# Altium PCB MatrixRE.PcbDoc (part 2 of 3)
Units mm, origin at the board's own origin, x right, y up, seen from the top; angles counter-clockwise.
Board outline 200.1 x 201 mm, 2 copper layers (Top Layer, Bottom Layer), stack 1.55 mm thick; 296 components, 220 nets, 867 pads, 414 vias.
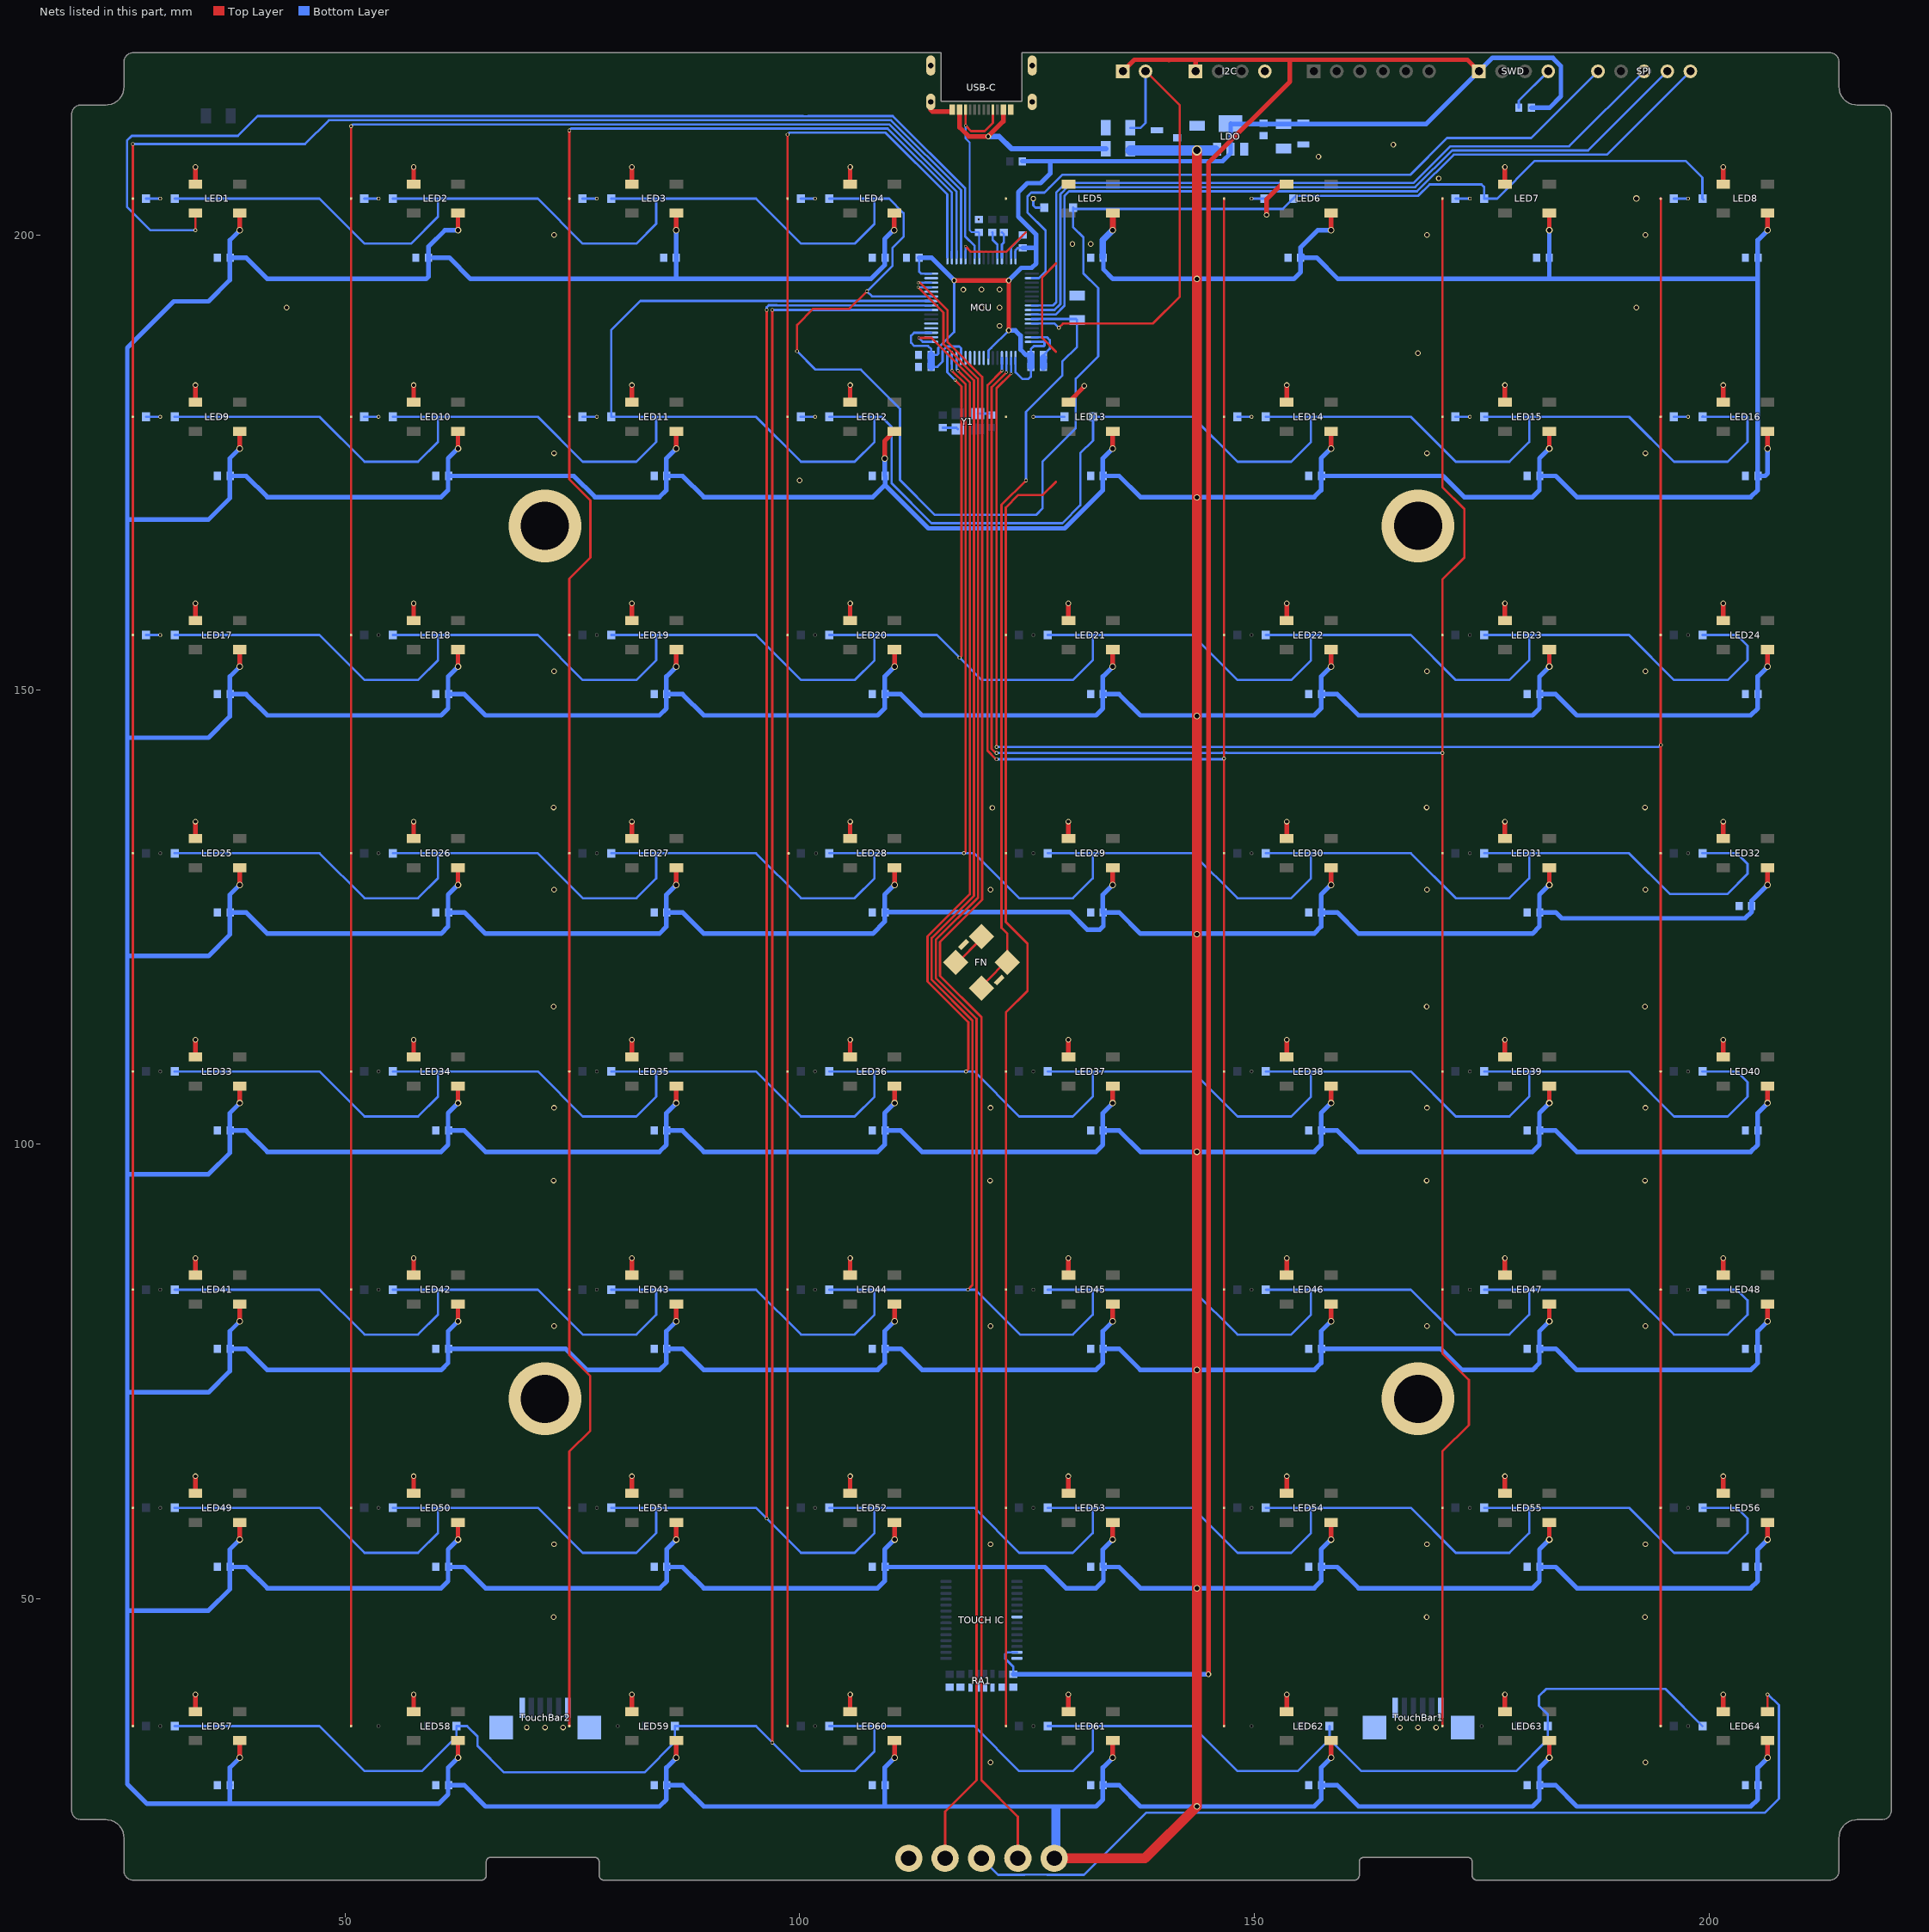
[diagram p2: the nets of this part, all layers, seen from the top]

## Part data
C1 C1 C2 C3 C4 C5 C6 C7 C8 C9 C10 C11 C12 C13 C14 C15 C16 C17 C18 C19 C20 C21 C22 C23 C24 C25 C26 C27 C28 C29 C30 C31 C32 C33 C34 C35 C36 C37 C38 C39 C40 C41 C42 C43 C44 C45 C46 C47 C48 C49 C50 C51 C52 C53 C54 C55 C56 C57 C58 C59 C60 C61 C62 C63 C64: "Capacitor (Semiconductor SIM Model)", LatestRevisionDate=29-May-2009, LatestRevisionNote="IPC-7351 Footprint Added.", PackageDescription="Chip Capacitor", PackageReference=C1206, Published=8-Jun-2000, Publisher="Altium Limited"
C1 C2 C3 C4 C5 C6 C8 C9 C10 C11 C13 C65 C66: library part Cap, LatestRevisionDate=17-Jul-2002, LatestRevisionNote="Re-released for DXP Platform.", PackageDescription="Radial Cap, Thru-Hole; 2 Leads; 0.3 in Pin Spacing", PackageReference=RAD-0.3, Published=8-Jun-2000, Publisher="Altium Limited"
C2: library part "Cap Semi", "Capacitor (Semiconductor SIM Model)", LatestRevisionDate=29-May-2009, LatestRevisionNote="IPC-7351 Footprint Added.", PackageDescription="Chip Capacitor", PackageReference=C1206, Published=8-Jun-2000, Publisher="Altium Limited"
C3 C4: library part "Cap Semi", LatestRevisionDate=29-May-2009, LatestRevisionNote="IPC-7351 Footprint Added.", PackageDescription="Chip Capacitor", PackageReference=C1206, Published=8-Jun-2000, Publisher="Altium Limited"
D1 D2: library part TVS
FN: library part SW, "System"
I2C SWD UART4/5: library part "Header 4", "System", LatestRevisionDate=17-Jul-2002, LatestRevisionNote="Re-released for DXP Platform.", Publisher="Altium Limited"
LED1 LED2 LED3 LED4 LED5 LED6 LED7 LED8 LED9 LED10 LED11 LED12 LED13 LED14 LED15 LED16 LED17 LED18 LED19 LED20 LED21 LED22 LED23 LED24 LED25 LED26 LED27 LED28 LED29 LED30 LED31 LED32 LED33 LED34 LED35 LED36 LED37 LED38 LED39 LED40 LED41 LED42 LED43 LED44 LED45 LED46 LED47 LED48 LED49 LED50 LED51 LED52 LED53 LED54 LED55 LED56 LED57 LED58 LED59 LED60 LED61 LED62 LED63 LED64: "3535"
PPTC: "Fuse", LatestRevisionDate=17-Jul-2002, LatestRevisionNote="Re-released for DXP Platform.", PackageDescription="Thru-Hole; 2 Leads", PackageReference=PIN-W2/E2.8, Published=8-Jun-2000, Publisher="Altium Limited"
R3 R4 R7 R10: library part Res2, LatestRevisionDate=17-Jul-2002, LatestRevisionNote="Re-released for DXP Platform.", PackageDescription="Axial Device, Thru-Hole; 2 Leads; 0.4 in Pin Spacing", PackageReference=AXIAL-0.4, Published=8-Jun-2000, Publisher="Altium Limited"
R9 R12 USB-C: "System"
  R9 R12: LatestRevisionDate=17-Jul-2002, LatestRevisionNote="Re-released for DXP Platform.", PackageDescription="Axial Device, Thru-Hole; 2 Leads; 0.4 in Pin Spacing", PackageReference=AXIAL-0.4, Published=8-Jun-2000, Publisher="Altium Limited"
RA1: library part "4R8P Resistor"
RLED: library part Res3, "Resistor", LatestRevisionDate=17-Jul-2002, LatestRevisionNote="Re-released for DXP Platform.", PackageDescription="Axial Device, Thru-Hole; 2 Leads; 0.4 in Pin Spacing", PackageReference=AXIAL-0.4, Published=8-Jun-2000, Publisher="Altium Limited"
SW1 SW2 SW3 SW4 SW5 SW6 SW7 SW8 SW9 SW10 SW11 SW12 SW13 SW14 SW15 SW16 SW17 SW18 SW19 SW20 SW21 SW22 SW23 SW24 SW25 SW26 SW27 SW28 SW29 SW30 SW31 SW32 SW33 SW34 SW35 SW36 SW37 SW38 SW39 SW40 SW41 SW42 SW43 SW44 SW45 SW46 SW47 SW48 SW49 SW50 SW51 SW52 SW53 SW54 SW55 SW56 SW57 SW58 SW59 SW60 SW61 SW62 SW63 SW64: library part SW
"TOUCH IC": library part TTP229
TouchBar1 TouchBar2: library part "6 pin fpc"
Y1: library part 3225Crystal

## Free pads (board coordinates)
  round 0 smd far side paste+0 mask+0: 1(109.27,118.73)
  round 3 hole 1.7: 1(128,21.46) 2(124,21.46) 3(120,21.46) 4(116,21.46) 5(112,21.46)
  rect 1.5x1.5 hole 0.9: 1(135.54,218)
  round 1.5 hole 0.9: 2(138.04,218)

## Via types
v1: diameter 0.406, hole 0.254, Top Layer to Bottom Layer, tented both sides, 178 vias
v2: diameter 0.61, hole 0.406, Top Layer to Bottom Layer, tented both sides, 134 vias
v3: diameter 0.711, hole 0.508, Top Layer to Bottom Layer, tented both sides, 65 vias
v4: diameter 0.305, hole 0.203, Top Layer to Bottom Layer, tented both sides, 24 vias
v5: diameter 0.7, hole 0.5, Top Layer to Bottom Layer, tented both sides, 8 vias
v6: diameter 8, hole 5.3, Top Layer to Bottom Layer, 4 vias
v7: diameter 1.1, hole 0.8, Top Layer to Bottom Layer, tented both sides, 1 vias

## Nets (pads, with @x,y where several pads share a name; then routed paths per layer and width w, separated by ;. In a path a pad name is that pad's centre, name@x,y a point inside that pad or via, vN(x,y) a via of type N, cw(c..) or ccw(c..) an arc to the next point about the centre after c; other vN are vias at no path point)
+3.3: "TOUCH IC.27" C1.2@123.5,41.7 C1.2@124.553,198.585 C2.2@113.15,197.5 C3.2@125.43,186.8 C4.2@114.475,185.5 C10.2@151,212.31 C11.2@153.2,212.192 C13.2@114.475,186.8 C65.1 C66.2 D2.2@155.4,212.37 I2C.1 LDO.2 MCU.1 MCU.7 MCU.13 MCU.19 MCU.32 MCU.48 MCU.64 pad.1@135.54,218 R7.2 SWD.1 | length 403.5
  Top Layer w0.508: v2(117,195) v2(123,195) v2(123,189.5) ; pad.1@135.54,218 136.81,219.27 140.65,219.27 ; 140.62,219.24 140.65,219.27 ; I2C.1@143.54,218 143.54,219.27 ; v2(144.95,41.7) 144.95,207.91 153.92,216.88 153.92,219.27 ; SWD.1@174.7,218 173.43,219.27 153.92,219.27 ; 140.65,219.27 143.54,219.27 ; 143.54,219.27 153.92,219.27
  Bottom Layer w0.254: C2.2@113.15,197.5 113.15,195.94 113.34,195.75 MCU.32@114.475,195.75 ; C4.2@114.475,185.5 115.16,185.5 115.73,186.07 115.73,187.244 116.216,187.73 117.56,187.73 117.75,187.54 MCU.13@117.75,186.475 ; MCU.19@114.475,189.25 112.59,189.25 112.26,188.92 112.26,188.15 112.614,187.796 114.134,187.796 114.475,187.455 C13.2@114.475,186.8 115.1,186.8 115.25,186.95 115.25,187.575 117,189.325 v2(117,195) ; MCU.48@123.75,197.525 123.75,198.33 124.005,198.585 C1.2@124.553,198.585
  Bottom Layer w0.256: MCU.7@120.75,186.475 120.75,187.25 120.797,187.297 120.797,187.313 121.062,187.578 121.078,187.578 v2(123,189.5) ; C1.2@123.5,41.7 123.5,42.51 122.61,43.4 122.61,43.89 122.82,44.1 123.9,44.1 ; MCU.1@123.75,186.475 123.75,184.899 124.499,184.15 125.15,184.15 125.43,184.43 C66.2@125.43,185.5 ; C3.2@125.43,186.8 125.43,187.44 125.77,187.78 126.87,187.78 126.92,187.83 126.92,188.25 MCU.64@125.525,188.25 ; v2@144.67,41.7 v2@144.7,41.67
  Bottom Layer w0.508: C2.2@113.15,197.5 114.54,197.5 114.54,197.46 v2(117,195) ; v2(123,189.5) 123.73,189.5 124.296,188.934 124.296,188.51 124.31,188.496 124.31,187.38 124.89,186.8 C3.2@125.43,186.8 ; v2(123,195) 123.47,195.47 124.39,196.39 125.53,196.39 126.014,196.874 126.014,200.046 124.038,202.022 124.038,204.688 125.049,205.7 126.497,205.7 127.57,206.772 127.57,208.06 ; R7.2@124.5,208.107 127.617,208.107 146.52,208.107 147.4,208.987 LDO.2@147.4,209.45 ; C1.2@124.553,198.585 125.775,198.585 ; LDO.2@147.4,209.5 LDO.2@147.4,212.206 ; LDO.2@147.4,212.25 LDO.2@147.4,212.206 ; 177.62,219.474 182.826,219.474 183.72,218.58 183.72,215.25 182.47,214 C65.1@180.48,214 ; 177.639,219.494 176.193,219.494 SWD.1@174.7,218 168.906,212.206 LDO.2@147.4,212.206
  Bottom Layer w0.512: C1.2@123.5,41.7 v2@144.67,41.7
  Bottom Layer w0.8: C4.2@114.475,185.5 C13.2@114.475,186.8 ; C66.2@125.43,185.5 C3.2@125.43,186.8
+5: C1.2@37.4,197.5 C2.2@59.2,197.5 C3.2@86.438,197.5 C4.2@109.4,197.5 C5.2@133.4,197.5 C6.2@155.1,197.5 C7.2 C8.2 C9.2 C10.2@181.4,173.5 C11.2@157.4,173.5 C12.2 C13.2@109.4,173.5 C14.2 C15.2 C16.2 C17.2 C18.2 C19.2 C20.2 C21.2 C22.2 C23.2 C24.2 C25.2 C26.2 C27.2 C28.2 C29.2 C30.2 C31.2 C32.2 C33.2 C34.2 C35.2 C36.2 C37.2 C38.2 C39.2 C40.2 C41.2 C42.2 C43.2 C44.2 C45.2 C46.2 C47.2 C48.2 C49.2 C50.2 C51.2 C52.2 C53.2 C54.2 C55.2 C56.2 C57.2 C58.2 C59.2 C60.2 C61.2 C62.2 C63.2 C64.2 D1.2@139.3,209.12 LDO.3 LED1.1 LED2.1 LED3.1 LED4.1 LED5.1 LED6.1 LED7.1 LED8.1 LED9.1 LED10.1 LED11.1 LED12.1 LED13.1 LED14.1 LED15.1 LED16.1 LED17.1 LED18.1 LED19.1 LED20.1 LED21.1 LED22.1 LED23.1 LED24.1 LED25.1 LED26.1 LED27.1 LED28.1 LED29.1 LED30.1 LED31.1 LED32.1 LED33.1 LED34.1 LED35.1 LED36.1 LED37.1 LED38.1 LED39.1 LED40.1 LED41.1 LED42.1 LED43.1 LED44.1 LED45.1 LED46.1 LED47.1 LED48.1 LED49.1 LED50.1 LED51.1 LED52.1 LED53.1 LED54.1 LED55.1 LED56.1 LED57.1 LED58.1 LED59.1 LED60.1 LED61.1 LED62.1 LED63.1 LED64.1 pad.1@128,21.46 PPTC.2 | length 2332.3
  Top Layer w0.508: v3(38.438,32.52) LED57.1@38.438,34.4 ; v3(38.438,56.52) LED49.1@38.438,58.4 ; v3(38.438,80.52) LED41.1@38.438,82.4 ; v3(38.438,104.52) LED33.1@38.438,106.4 ; v3(38.438,128.52) LED25.1@38.438,130.4 ; v3(38.438,152.52) LED17.1@38.438,154.4 ; v3(38.438,176.52) LED9.1@38.438,178.4 ; v3(38.438,200.52) LED1.1@38.438,202.4 ; v3(62.438,32.52) LED58.1@62.438,34.4 ; v3(62.438,56.52) LED50.1@62.438,58.4 ; v3(62.438,80.52) LED42.1@62.438,82.4 ; v3(62.438,104.52) LED34.1@62.438,106.4 ; v3(62.438,128.52) LED26.1@62.438,130.4 ; v3(62.438,152.52) LED18.1@62.438,154.4 ; v3(62.438,176.52) LED10.1@62.438,178.4 ; v3(62.438,200.52) LED2.1@62.438,202.4 ; v3(86.438,32.52) LED59.1@86.438,34.4 ; v3(86.438,56.52) LED51.1@86.438,58.4 ; v3(86.438,80.52) LED43.1@86.438,82.4 ; v3(86.438,104.52) LED35.1@86.438,106.4 ; v3(86.438,128.52) LED27.1@86.438,130.4 ; v3(86.438,152.52) LED19.1@86.438,154.4 ; v3(86.438,176.52) LED11.1@86.438,178.4 ; v3(86.438,200.52) LED3.1@86.438,202.4 ; v3(109.35,175.431) 109.35,177.311 LED12.1@110.438,178.4 ; v3(110.4,200.52) 110.4,202.361 LED4.1@110.438,202.4 ; v3(110.438,32.52) LED60.1@110.438,34.4 ; v3(110.438,56.52) LED52.1@110.438,58.4 ; v3(110.438,80.52) LED44.1@110.438,82.4 ; v3(110.438,104.52) LED36.1@110.438,106.4 ; v3(110.438,128.52) LED28.1@110.438,130.4 ; v3(110.438,152.52) LED20.1@110.438,154.4 ; v3(134.438,32.52) LED61.1@134.438,34.4 ; v3(134.438,56.52) LED53.1@134.438,58.4 ; v3(134.438,80.52) LED45.1@134.438,82.4 ; v3(134.438,104.52) LED37.1@134.438,106.4 ; v3(134.438,128.52) LED29.1@134.438,130.4 ; v3(134.438,152.52) LED21.1@134.438,154.4 ; v3(134.438,176.52) LED13.1@134.438,178.4 ; v3(158.438,32.52) LED62.1@158.438,34.4 ; v3(158.438,56.52) LED54.1@158.438,58.4 ; v3(158.438,80.52) LED46.1@158.438,82.4 ; v3(158.438,104.52) LED38.1@158.438,106.4 ; v3(158.438,128.52) LED30.1@158.438,130.4 ; v3(158.438,152.52) LED22.1@158.438,154.4 ; v3(158.438,176.52) LED14.1@158.438,178.4 ; v3(158.438,200.52) LED6.1@158.438,202.4 ; v3(182.438,32.52) LED63.1@182.438,34.4 ; v3(182.438,56.52) LED55.1@182.438,58.4 ; v3(182.438,80.52) LED47.1@182.438,82.4 ; v3(182.438,104.52) LED39.1@182.438,106.4 ; v3(182.438,128.52) LED31.1@182.438,130.4 ; v3(182.438,152.52) LED23.1@182.438,154.4 ; v3(182.438,176.52) LED15.1@182.438,178.4 ; v3(182.438,200.52) LED7.1@182.438,202.4 ; v3(206.438,32.52) LED64.1@206.438,34.4 ; v3(206.438,56.52) LED56.1@206.438,58.4 ; v3(206.438,80.52) LED48.1@206.438,82.4 ; v3(206.438,104.52) LED40.1@206.438,106.4 ; v3(206.438,128.52) LED32.1@206.438,130.4 ; v3(206.438,152.52) LED24.1@206.438,154.4 ; v3(206.438,176.52) LED16.1@206.438,178.4 ; v3(206.438,200.52) LED8.1@206.438,202.4
  Top Layer w0.635: v3(134.438,200.52) LED5.1@134.438,202.4
  Top Layer w1.1: pad.1@128,21.46 137.977,21.46 v5(143.68,27.163) 143.7,27.183 143.7,51.163 143.7,75.163 143.7,99.163 143.7,123.1 143.7,171.14 143.7,200.52 v7(143.7,209.3)
  Bottom Layer w0.508: 26.1,48.7 35,48.7 37.35,51.05 C56.2@37.35,53.5 ; 26.1,72.7 35,72.7 37.35,75.05 C48.2@37.35,77.5 ; 26.1,96.7 35,96.7 37.35,99.05 C40.2@37.35,101.5 ; 26.1,120.7 35,120.7 37.35,123.05 C32.2@37.35,125.5 ; 26.1,144.7 35,144.7 37.35,147.05 C24.2@37.35,149.5 ; 26.1,168.7 35,168.7 37.35,171.05 C16.2@37.35,173.5 ; C64.2@37.35,29.5 37.35,31.431 v3(38.438,32.52) ; C64.2@37.4,29.5 37.35,29.45 37.35,27.45 ; v3(38.438,56.52) 37.35,55.431 C56.2@37.35,53.5 ; v3(38.438,80.52) 37.35,79.431 C48.2@37.35,77.5 ; v3(38.438,104.52) 37.35,103.431 C40.2@37.35,101.5 ; v3(38.438,128.52) 37.35,127.431 C32.2@37.35,125.5 ; v3(38.438,152.52) 37.35,151.431 C24.2@37.35,149.5 ; v3(38.438,176.52) 37.35,175.431 C16.2@37.35,173.5 ; v3(38.438,200.52) 37.35,199.431 C1.2@37.35,197.5 ; 59.7,197.5 61.481,197.5 63.818,195.163 86.438,195.163 v3(86.438,200.52) ; v3(62.438,32.52) 61.35,31.431 C63.2@61.35,29.5 ; v3(62.438,56.52) 61.35,55.431 C55.2@61.35,53.5 ; v3(62.438,80.52) 61.35,79.431 C47.2@61.35,77.5 ; v3(62.438,104.52) 61.35,103.431 C39.2@61.35,101.5 ; v3(62.438,128.52) 61.35,127.431 C31.2@61.35,125.5 ; v3(62.438,152.52) 61.35,151.431 C23.2@61.35,149.5 ; v3(62.438,176.52) 61.35,175.431 C15.2@61.35,173.5 ; v3(62.438,200.52) 60.99,200.52 59.2,198.73 C2.2@59.2,197.5 59.2,195.429 58.934,195.163 41.468,195.163 39.131,197.5 C1.2@37.35,197.5 ; 84.584,51.163 65.468,51.163 63.131,53.5 C55.2@61.35,53.5 ; 84.634,51.163 85.4,51.929 C54.2@85.4,53.5 ; v3(86.438,32.52) 85.35,31.431 C62.2@85.35,29.5 ; v3(86.438,56.52) 85.4,55.481 C54.2@85.4,53.5 ; v3(86.438,80.52) 85.35,79.431 C46.2@85.35,77.5 ; v3(86.438,104.52) 85.35,103.431 C38.2@85.35,101.5 ; v3(86.438,128.52) 85.35,127.431 C30.2@85.35,125.5 ; v3(86.438,152.52) 85.35,151.431 C22.2@85.35,149.5 ; v3(86.438,176.52) 85.35,175.431 C14.2@85.35,173.5 ; 86.5,195.163 107.833,195.163 109.35,196.68 109.35,199.55 v3@110.25,200.45 ; 109.35,27.25 109.35,31.431 v3(110.438,32.52) ; C13.2@109.35,173.5 v3(109.35,175.431) ; C13.2@109.4,173.5 109.4,172.503 ; v3(110.438,56.52) 109.35,55.431 C53.2@109.35,53.5 ; v3(110.438,80.52) 109.35,79.431 C45.2@109.35,77.5 ; v3(110.438,104.52) 109.35,103.431 C37.2@109.35,101.5 ; v3(110.438,128.52) 109.35,127.431 C29.2@109.35,125.5 ; v3(110.438,152.52) 109.35,151.431 C21.2@109.35,149.5 ; C52.2@133.35,53.5 133.35,55.431 v3(134.438,56.52) ; C28.2@133.35,125.5 133.35,127.431 v3(134.438,128.52) ; C5.2@133.35,197.55 C5.2@133.4,197.5 133.4,196.22 134.457,195.163 154.333,195.163 155.1,195.93 C6.2@155.1,197.5 C6.2@155.1,197.9 ; v3(134.438,32.52) 133.35,31.431 C60.2@133.35,29.5 ; v3(134.438,80.52) 133.35,79.431 C44.2@133.35,77.5 ; v3(134.438,104.52) 133.35,103.431 C36.2@133.35,101.5 ; v3(134.438,152.52) 133.35,151.431 C20.2@133.35,149.5 ; v3(134.438,176.52) 133.35,175.431 C12.2@133.35,173.5 ; v3(158.438,32.52) 157.35,31.431 C59.2@157.35,29.5 ; v3(158.438,56.52) 157.35,55.431 C51.2@157.35,53.5 ; v3(158.438,80.52) 157.35,79.431 C43.2@157.35,77.5 ; v3(158.438,104.52) 157.35,103.431 C35.2@157.35,101.5 ; v3(158.438,128.52) 157.35,127.431 C27.2@157.35,125.5 ; v3(158.438,152.52) 157.35,151.431 C19.2@157.35,149.5 ; v3(158.438,176.52) 157.35,175.431 C11.2@157.35,173.5 ; v3(158.438,200.52) 156.97,200.52 155.1,198.65 C6.2@155.1,197.9 ; v3(182.438,32.52) 181.35,31.431 C58.2@181.35,29.5 ; v3(182.438,56.52) 181.35,55.431 C50.2@181.35,53.5 ; v3(182.438,80.52) 181.35,79.431 C42.2@181.35,77.5 ; v3(182.438,104.52) 181.35,103.431 C34.2@181.35,101.5 ; v3(182.438,128.52) 181.35,127.431 C26.2@181.35,125.5 ; v3(182.438,152.52) 181.35,151.431 C18.2@181.35,149.5 ; v3(182.438,176.52) 181.35,175.431 C10.2@181.35,173.5 ; v3(182.438,200.52) 182.438,195.189 182.464,195.163 ; v3(206.438,32.52) 205.35,31.431 205.35,27.929 204.584,27.163 185.468,27.163 183.131,29.5 C58.2@181.35,29.5 ; v3(206.438,56.52) 205.35,55.431 205.35,51.929 204.584,51.163 185.468,51.163 183.131,53.5 C50.2@181.35,53.5 ; v3(206.438,80.52) 205.35,79.431 205.35,75.929 204.584,75.163 185.468,75.163 183.131,77.5 C42.2@181.35,77.5 ; v3(206.438,104.52) 205.35,103.431 205.35,99.929 204.584,99.163 185.468,99.163 183.131,101.5 C34.2@181.35,101.5 ; v3(206.438,128.52) 204.7,126.781 C25.2@204.7,126.2 204.7,125.569 203.971,124.84 183.791,124.84 183.131,125.5 C26.2@181.35,125.5 ; v3(206.438,152.52) 205.35,151.431 205.35,147.929 204.584,147.163 185.468,147.163 183.131,149.5 C18.2@181.35,149.5 ; v3(206.438,176.52) 206.438,173.778 206.16,173.5 C9.2@205.4,173.5 C9.2@205.35,173.5 ; v3(206.438,200.52) 205.35,199.431 205.35,195.163 ; 37.35,27.45 28.25,27.45 26.076,29.624 26.076,187.576 31.2,192.7 35,192.7 37.35,195.05 C1.2@37.35,197.5 ; 37.35,27.45 60.3,27.45 61.35,28.5 C63.2@61.35,29.5 ; C56.2@37.35,53.5 39.131,53.5 41.468,51.163 60.584,51.163 61.35,51.929 C55.2@61.35,53.5 ; C48.2@37.35,77.5 39.131,77.5 41.468,75.163 60.584,75.163 61.35,75.929 C47.2@61.35,77.5 ; C40.2@37.35,101.5 39.131,101.5 41.468,99.163 60.584,99.163 61.35,99.929 C39.2@61.35,101.5 ; C32.2@37.35,125.5 39.131,125.5 41.468,123.163 60.584,123.163 61.35,123.929 C31.2@61.35,125.5 ; C24.2@37.35,149.5 39.131,149.5 41.468,147.163 60.584,147.163 61.35,147.929 C23.2@61.35,149.5 ; C16.2@37.35,173.5 39.131,173.5 41.468,171.163 60.584,171.163 61.35,171.929 C15.2@61.35,173.5 ; C63.2@61.35,29.5 63.131,29.5 65.468,27.163 84.584,27.163 85.35,27.929 C62.2@85.35,29.5 ; C47.2@61.35,77.5 74.263,77.5 76.582,75.181 84.602,75.181 85.35,75.929 C46.2@85.35,77.5 ; C39.2@61.35,101.5 63.131,101.5 65.468,99.163 84.584,99.163 85.35,99.929 C38.2@85.35,101.5 ; C31.2@61.35,125.5 63.131,125.5 65.468,123.163 84.584,123.163 85.35,123.929 C30.2@85.35,125.5 ; C23.2@61.35,149.5 63.131,149.5 65.468,147.163 84.584,147.163 85.35,147.929 C22.2@85.35,149.5 ; C15.2@61.35,173.5 75.163,173.5 77.5,171.163 84.584,171.163 85.35,171.929 C14.2@85.35,173.5 ; C62.2@85.35,29.5 87.131,29.5 89.468,27.163 132.584,27.163 133.35,27.929 C60.2@133.35,29.5 ; C46.2@85.35,77.5 87.131,77.5 89.45,75.181 108.602,75.181 109.35,75.929 C45.2@109.35,77.5 ; C38.2@85.35,101.5 87.131,101.5 89.468,99.163 108.584,99.163 109.35,99.929 C37.2@109.35,101.5 ; C30.2@85.35,125.5 87.131,125.5 89.468,123.163 108.052,123.163 109.35,124.462 C29.2@109.35,125.5 ; C22.2@85.35,149.5 87.131,149.5 89.468,147.163 108.584,147.163 109.35,147.929 C21.2@109.35,149.5 ; C14.2@85.35,173.5 87.131,173.5 89.468,171.163 108.06,171.163 109.4,172.503 ; C54.2@85.4,53.5 87.131,53.5 89.468,51.163 108.584,51.163 109.35,51.929 C53.2@109.35,53.5 ; C53.2@109.35,53.5 126.96,53.5 129.297,51.163 132.584,51.163 133.4,51.979 C52.2@133.4,53.5 135.131,53.5 137.468,51.163 156.584,51.163 157.35,51.929 C51.2@157.35,53.5 ; C45.2@109.35,77.5 111.131,77.5 113.45,75.181 132.602,75.181 133.35,75.929 C44.2@133.35,77.5 ; C37.2@109.35,101.5 111.131,101.5 113.468,99.163 132.584,99.163 133.35,99.929 C36.2@133.35,101.5 ; C29.2@109.35,125.5 109.38,125.53 129.7,125.53 131.65,123.58 133.001,123.58 133.4,123.979 C28.2@133.4,125.5 135.131,125.5 137.468,123.163 156.584,123.163 157.35,123.929 C27.2@157.35,125.5 ; C21.2@109.35,149.5 111.131,149.5 113.468,147.163 132.584,147.163 133.35,147.929 C20.2@133.35,149.5 ; 109.4,172.503 114.177,167.727 129.147,167.727 133.35,171.929 C12.2@133.35,173.5 ; C60.2@133.35,29.5 135.131,29.5 137.468,27.163 156.584,27.163 157.35,27.929 C59.2@157.35,29.5 ; C44.2@133.35,77.5 135.131,77.5 137.45,75.181 156.602,75.181 157.35,75.929 C43.2@157.35,77.5 ; C36.2@133.35,101.5 135.131,101.5 137.468,99.163 156.584,99.163 157.35,99.929 C35.2@157.35,101.5 ; C20.2@133.35,149.5 135.131,149.5 137.468,147.163 156.584,147.163 157.35,147.929 C19.2@157.35,149.5 ; C12.2@133.35,173.5 135.131,173.5 137.468,171.163 156.584,171.163 157.35,171.929 C11.2@157.35,173.5 ; C6.2@155.1,197.9 155.5,197.5 156.86,197.5 159.197,195.163 182.464,195.163 ; C59.2@157.35,29.5 159.131,29.5 161.468,27.163 180.584,27.163 181.35,27.929 C58.2@181.35,29.5 ; C51.2@157.35,53.5 159.131,53.5 161.468,51.163 180.584,51.163 181.35,51.929 C50.2@181.35,53.5 ; C43.2@157.35,77.5 170.49,77.5 172.827,75.163 180.584,75.163 181.35,75.929 C42.2@181.35,77.5 ; C35.2@157.35,101.5 159.131,101.5 161.468,99.163 180.584,99.163 181.35,99.929 C34.2@181.35,101.5 ; C27.2@157.35,125.5 159.131,125.5 161.468,123.163 180.584,123.163 181.35,123.929 C26.2@181.35,125.5 ; C19.2@157.35,149.5 159.131,149.5 161.468,147.163 180.584,147.163 181.35,147.929 C18.2@181.35,149.5 ; C11.2@157.35,173.5 170.759,173.5 173.095,171.163 180.584,171.163 181.35,171.929 C10.2@181.35,173.5 ; C10.2@181.35,173.5 183.131,173.5 185.468,171.163 204.584,171.163 205.35,171.929 C9.2@205.35,173.5 ; 182.464,195.163 205.35,195.163 ; C9.2@205.35,173.5 205.35,195.163